# Altium PCB F1C100S.PcbDoc
Units mm, origin at the board's own origin, x right, y up, seen from the top; angles counter-clockwise.
Board outline 135.51 x 63.37 mm, 2 copper layers (Top Layer, Bottom Layer); 45 components, 33 nets, 212 pads, 0 vias.
Unrouted connection lines stored in the file: 129.
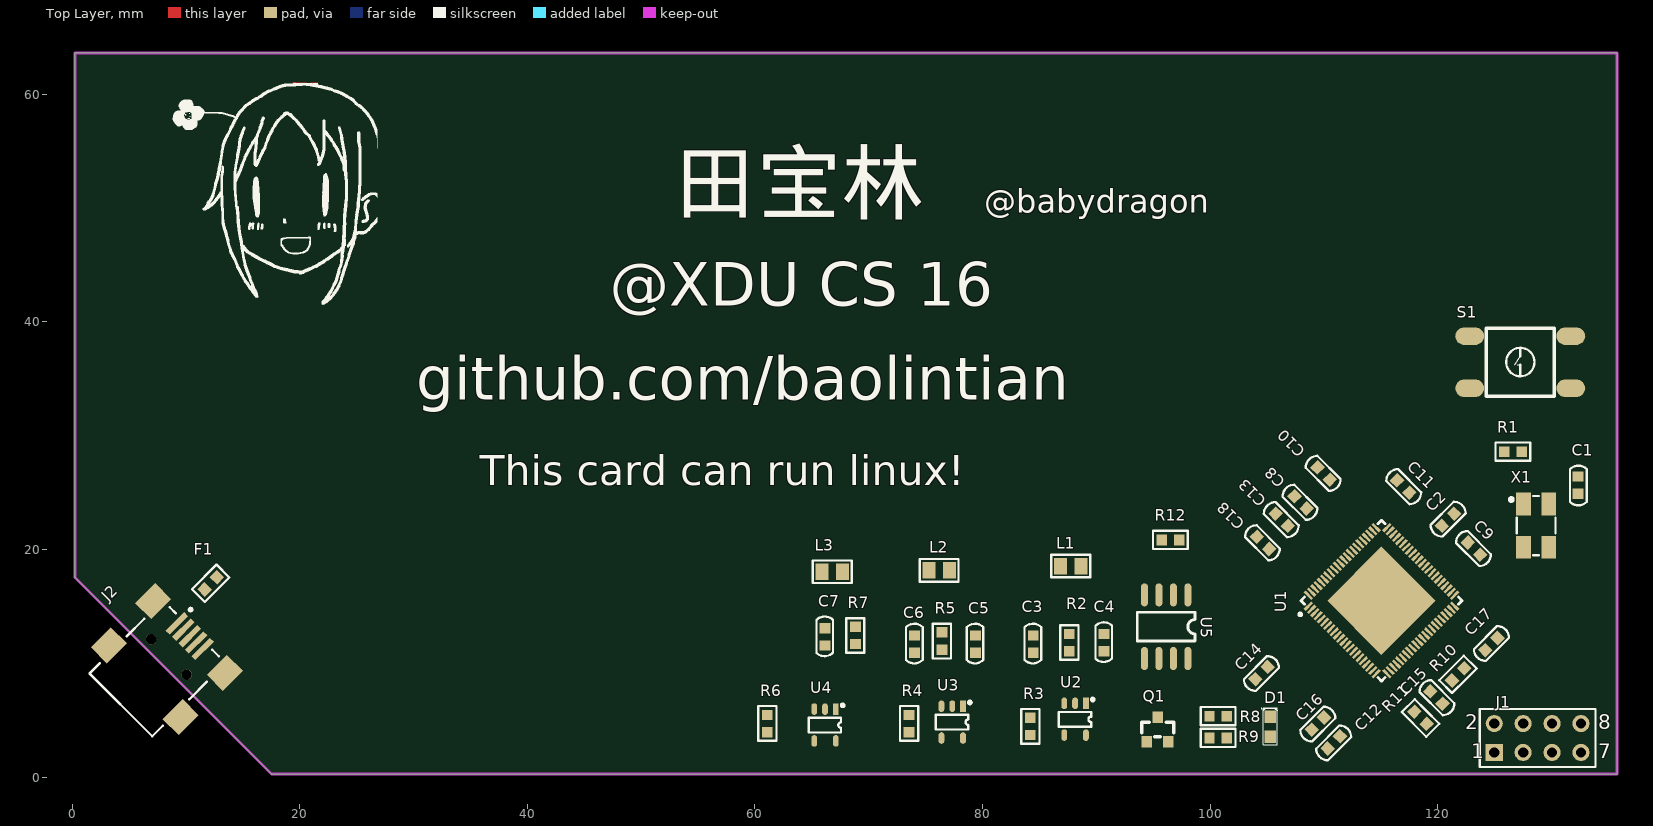
[diagram p0: Top Layer view]
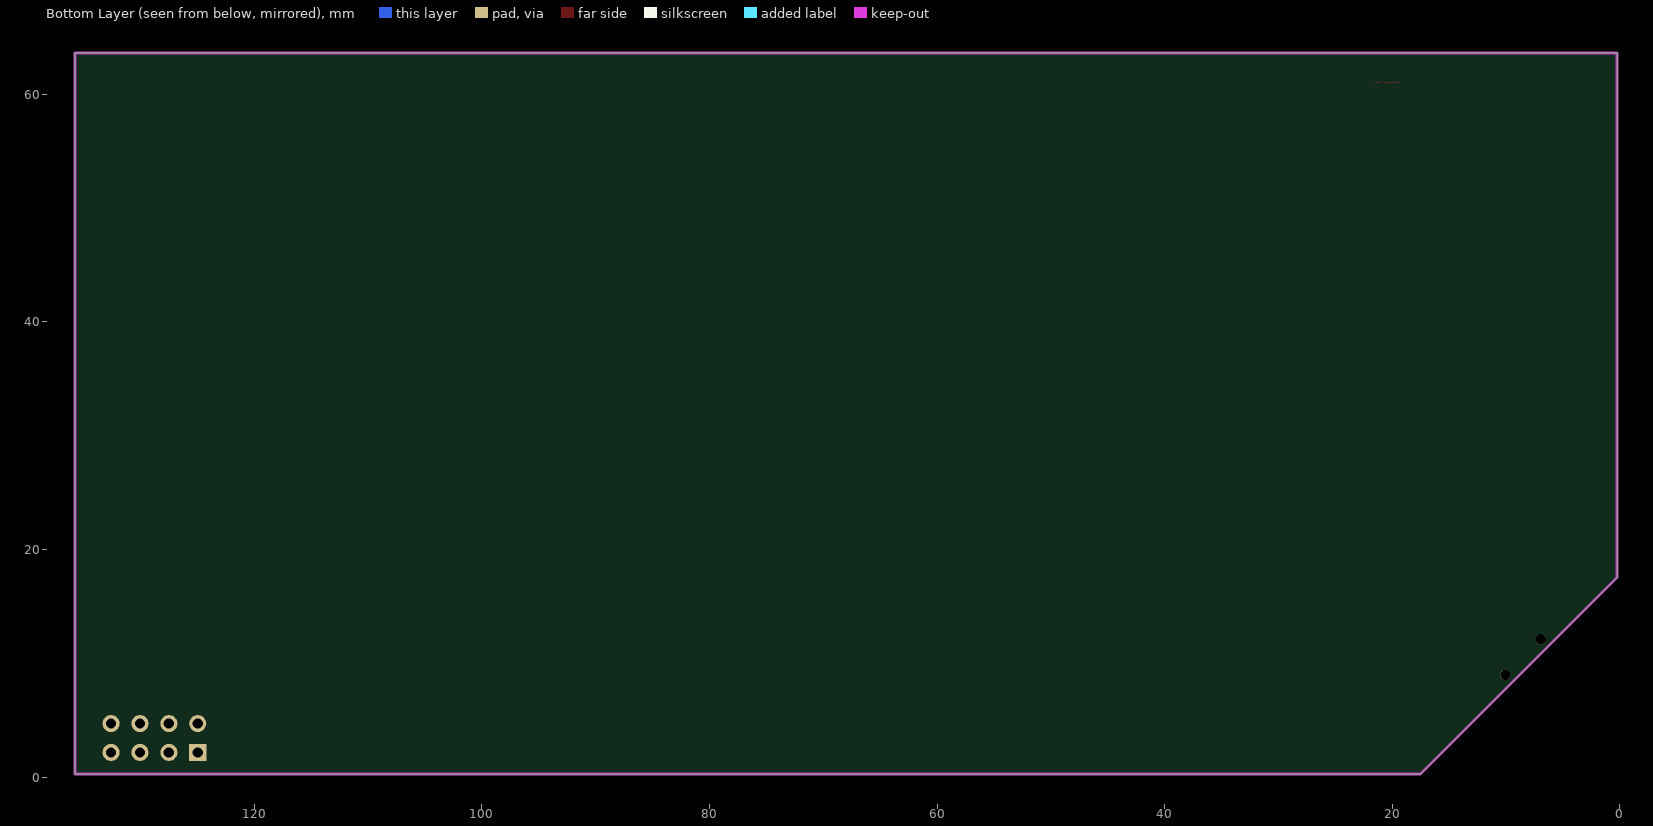
[diagram p1: Bottom Layer view, seen from below]

## Layer stack, top to bottom
Top Solder: solder mask 0.0102, Solder Resist, Dk 3.5
Top Layer: signal copper 0.0356
Dielectric 1: dielectric 0.32, FR-4, Dk 4.8
Bottom Layer: signal copper 0.0356
Bottom Solder: solder mask 0.0102, Solder Resist, Dk 3.5

## Board outline
17.526,0.254 0.254,17.526 0.254,63.627 135.763,63.627 135.763,0.254

## Design rules (kind name [scope] priority, off if disabled: settings)
Clearance [All] p1: gap=0.254 ignorepadtopadclearanceinfootprint=FALSE except(0: Arc-Hole Track-Hole SMDPad-Hole THPad-Hole Via-Hole Fill-Hole Poly-Hole Region-Hole Text-Hole)
PolygonConnect [All] p1: connectstyle=Relief reliefconductorwidth=0.254 reliefentries=4 polygonreliefangle="90 Angle" airgapwidth=0.254
RoutingVias [All] p1: holewidth=0.711 width=1.27 viastyle="Through Hole" minholewidth=0.711 minwidth=1.27 maxholewidth=0.711 maxwidth=1.27
SolderMaskExpansion [All] p1: expansion=0.102
Width [All] p1: maxlimit=0.254 minlimit=0.254 preferedwidth=0.254
30 further rules are at their usual default settings.

## Components (designator, comment, footprint, x,y, rotation, side; value= is the part's Value field where it differs from the comment)
C1 "30p" 0603C 132.334,25.654 r270 top
C2 "30p" 0603C 120.904,22.606 r45 top
C3 "2u2" 0603C 84.455,11.684 r90 top
C4 "2u2" 0603C 90.678,11.811 r90 top
C5 "22u" 0603C 79.375,11.684 r90 top
C6 "22u" 0603C 74.041,11.684 r90 top
C7 "22u" 0603C 66.167,12.319 r90 top
C8 "100n" 0603C 107.95,24.13 r135 top
C9 "2u2" 0603C 123.19,20.066 r135 top
C10 "100n" 0603C 109.982,26.67 r135 top
C11 "100n" 0603C 116.967,25.527 r315 top
C12 "100n" 0603C 110.871,3.048 r225 top
C13 "100n" 0603C 106.299,22.606 r135 top
C14 "100n" 0603C 104.521,9.144 r225 top
C15 "1u" 0603C 119.888,6.985 r315 top
C16 "100n" 0603C 109.474,4.699 r225 top
C17 "1u" 0603C 124.714,11.684 r45 top
C18 "100n" 0603C 104.648,20.574 r135 top
D1 "LED" LED-0603 105.283,3.556 r90 top
F1 "Fuse 1" 0603r 12.192,17.018 r45 top
J1 "Header4*2" HDR2X4 124.968,2.159 r0 top
J2 "USB" USB_MINIB_SMT 8.509,10.541 r315 top
L1 "2u2" 0805R 87.757,18.542 r0 top
L2 "2u2" 0805R 76.2,18.161 r180 top
L3 "2u2" 0805R 66.802,18.034 r0 top
Q1 "AO3400" SOT-23 95.377,4.191 r90 top
R1 "49.9K" 0603R 126.619,28.575 r0 top
R2 "49.9K" 0603R 87.63,11.811 r270 top
R3 "11K" 0603R 84.201,4.445 r270 top
R4 "36K" 0603R 73.533,4.699 r270 top
R5 "11K" 0603R 76.454,11.951 r90 top
R6 "8K2" 0603R 61.087,4.699 r270 top
R7 "10K" 0603R 68.834,12.446 r90 top
R8 "R" 0603R 100.711,5.334 r0 top
R9 "49K9" 0603R 100.711,3.429 r0 top
R10 "2K2" 0603R 121.793,9.017 r45 top
R11 "2K2" 0603R 118.491,5.207 r135 top
R12 "3.3K" 0603R 96.52,20.828 r0 top
S1 "SW-Push" key-6s 127.254,36.449 r0 top
U1 "F1C100S" QFN-88 115.062,15.494 r315 top
U2 "JW5211" SOT-23-5 88.138,5.08 r270 top
U3 "JW5211" SOT-23-5 77.343,4.826 r270 top
U4 "JW5211" SOT-23-5 66.167,4.572 r270 top
U5 "AT25SF081-SSHD-X" SOP-8 98.044,16.002 r270 top
X1 "24MHz" 5032-4P 128.651,22.098 r270 top

## Footprints (in the part's own frame and the unit in brackets; to place one, negate y for a bottom-side part, rotate by r counter-clockwise, add the part's x,y. Pads: shape width x height; smd on the part's side, far side on the other; paste and mask are expansions set on the pad)
0603C [mm]
  rect 0.9x0.95 smd: 1(-0.762,0) 2(0.762,0)
  silkscreen extent -1.7,-0.7 1.78,0.76, body extent -0.79,-0.38 0.81,0.42, height 0.3
0603r [mm]
  rect 0.9x0.95 smd: 1(-0.762,0) 2(0.762,0)
  silkscreen extent -1.54,-0.79 1.52,0.81, body extent -0.8,-0.4 0.8,0.4, height 0.3
0603R [mm]
  rect 0.9x0.95 smd: 1(-0.762,0) 2(0.762,0)
  silkscreen extent -1.54,-0.79 1.52,0.81, body extent -0.8,-0.4 0.8,0.4, height 0.3
0805R [mm]
  rect 1.15x1.45 smd: 1(-0.889,0) 2(0.889,0)
  silkscreen extent -1.7,-0.99 1.7,0.99, body extent -1,-0.63 1,0.63, height 0.78
5032-4P [mm]
  rect 2x1.3 smd: 1(-1.9,-1.1) 2(1.9,-1.1) 3(1.9,1.1) 4(-1.9,1.1)
  silkscreen extent -2.6,-2.33 2.6,1.7
HDR2X4 [mm] "Connector; Header; 4x2 Position"
  rect 1.5x1.5 hole 0.9: 1(0,0)
  round 1.5 hole 0.9: 2(0,2.54) 3(2.54,0) 4(2.54,2.54) 5(5.08,0) 6(5.08,2.54) 7(7.62,0) 8(7.62,2.54)
  silkscreen extent -1.27,-1.27 8.89,3.81
key-6s [mil]
  oval 100x60 smd: 1(-175,90) 2(-175,-90) 3(175,-90) 4(175,90)
  silkscreen extent -118,-118 118,118, body extent -201,-122 201,122, height 268
LED-0603 [mm]
  rect 1.1x1 smd: 1(0,0) 2(1.75,0)
  silkscreen extent -0.7,-0.6 2.55,0.72
QFN-88 [mm]
  rect 0.249x0.95 smd: 1(-4.2,-4.876) 3(-3.4,-4.876) 5(-2.599,-4.876) 7(-1.799,-4.876) 9(-0.999,-4.876) 11(-0.199,-4.876) 13(0.601,-4.876) 14(1,-4.876) 15(1.401,-4.876) 16(1.8,-4.876) 17(2.201,-4.876) 18(2.6,-4.876) 19(3.001,-4.876) 20(3.4,-4.876) 22(4.2,-4.876) 45(4.2,4.876) 47(3.4,4.876) 48(3.001,4.876) 49(2.6,4.876) 50(2.201,4.876) 51(1.8,4.876) 52(1.401,4.876) 53(1,4.876) 54(0.601,4.876) 56(-0.199,4.876) 58(-0.999,4.876) 60(-1.799,4.876) 62(-2.599,4.876) 64(-3.4,4.876) 66(-4.2,4.876)
  rect 0.251x0.95 smd: 2(-3.8,-4.876) 4(-3,-4.876) 6(-2.199,-4.876) 8(-1.399,-4.876) 10(-0.599,-4.876) 12(0.201,-4.876) 21(3.8,-4.876) 46(3.8,4.876) 55(0.201,4.876) 57(-0.599,4.876) 59(-1.399,4.876) 61(-2.199,4.876) 63(-3,4.876) 65(-3.8,4.876)
  rect 0.95x0.249 smd: 23(4.876,-4.2) 24(4.876,-3.801) 25(4.876,-3.4) 26(4.876,-3.001) 27(4.876,-2.6) 28(4.876,-2.201) 30(4.876,-1.401) 32(4.876,-0.601) 34(4.876,0.199) 36(4.876,0.999) 38(4.876,1.8) 40(4.876,2.6) 42(4.876,3.4) 44(4.876,4.2) 67(-4.875,4.2) 69(-4.875,3.4) 71(-4.875,2.6) 73(-4.875,1.8) 75(-4.875,0.999) 77(-4.875,0.199) 79(-4.875,-0.601) 81(-4.875,-1.401) 83(-4.875,-2.201) 84(-4.875,-2.6) 85(-4.876,-3) 86(-4.875,-3.4) 87(-4.875,-3.801) 88(-4.875,-4.2)
  rect 0.95x0.251 smd: 29(4.876,-1.801) 31(4.876,-1.001) 33(4.876,-0.201) 35(4.876,0.599) 37(4.876,1.4) 39(4.876,2.2) 41(4.876,3) 43(4.876,3.8) 68(-4.875,3.8) 70(-4.875,3) 72(-4.875,2.2) 74(-4.875,1.4) 76(-4.875,0.599) 78(-4.875,-0.201) 80(-4.875,-1.001) 82(-4.875,-1.801)
  rect 6.749x6.749 smd: 89(0,-0.001)
  silkscreen extent -5,-6.03 5,5
SOP-8 [mil]
  oval 80x24 smd: 1(0,0) 2(0,-50) 3(0,-100) 4(0,-150) 5(220,-150) 6(220,-100) 7(220,-50) 8(220,0)
  silkscreen extent 60,-175 160,25
SOT-23 [mil]
  rect 40x36 smd: 1(-42.5,37.5) 2(-42.5,-37.5) 3(42.5,-0.5)
  silkscreen extent -25,-56 25,55, body extent -47,-57 50,57, height 39
SOT-23-5 [mil]
  rect 40x20 smd: 1(-55,37.4)
  oval 40x20 smd: 2(-55,0) 3(-55,-37.4) 4(55,-37.4) 5(55,37.4)
  silkscreen extent -73,-57 26,66, body extent -55,-57 55,57, height 43
USB_MINIB_SMT [mm]
  rect 0.5x2.3 smd: 1(-1.6,2.6) 2(-0.8,2.6) 3(0,2.6) 4(0.8,2.6) 5(1.6,2.6)
  rect 2x2.5 smd: 6(4.45,2.5) 7(4.45,-3) 8(-4.45,2.5) 9(-4.45,-3)
  round 0.9 hole 0.9 unplated: MH1(2.2,0) MH2(-2.2,0)
  silkscreen extent -3.9,-5.95 3.9,4.42, body extent -5.35,-5.9 5.35,3.3, height 3.95

## Part data
C1 C2 C3 C4 C5 C6 C7 C8 C9 C10 C11 C12 C13 C14 C15 C16 C17 C18: library part Cap, "Capacitor"
D1: library part LED0, "Typical INFRARED GaAs LED"
F1: "Fuse"
J2: "A口,13.4×14.2×7,90°,RoHS"
L1 L2 L3: library part Inductor, "Inductor"
Q1: "N-Channel Power MOSFET"
R1 R2 R3 R4 R5 R6 R7 R8 R9 R10 R11 R12: library part Res1, "Resistor"
S1: library part SW-PB, "Switch"
U1: "树莓派 全志"
U5: library part AT25SF081-SSHD-T

## Nets (pads, with @x,y where several pads share a name; then routed paths per layer and width w, separated by ;. In a path a pad name is that pad's centre, name@x,y a point inside that pad or via, vN(x,y) a via of type N, cw(c..) or ccw(c..) an arc to the next point about the centre after c; other vN are vias at no path point)
+1V1: C7.2 C8.1 C10.1 C12.1 L3.2 R6.1 U1.22 U1.35 U1.71
+2V5: C6.2 C15.1 C17.1 C18.1 L2.2 R4.1 R10.2 U1.30 U1.31 U1.32 U1.34 U1.36 U1.80
+3V3: C5.2 C9.1 C11.1 C13.1 C14.1 C16.1 D1.1 L1.2 R1.1 R2.1 R9.2 R12.1 U1.4 U1.5 U1.20 U1.50 U1.67 U1.73 U5.3 U5.7 U5.8
FUSE_PWR: C3.2 C4.2 F1.2 U2.1 U2.4 U3.1 U3.4 U4.1 U4.4
GND: C1.2 C2.2 C3.1 C4.1 C5.1 C6.1 C7.1 C8.2 C9.2 C10.2 C11.2 C12.2 C13.2 C14.2 C15.2 C16.2 C17.2 C18.2 J1.5 J2.4 J2.5 J2.6 Q1.2 R3.1 R5.1 R7.1 R11.2 S1.1 U1.2 U1.63 U1.64 U1.65 U1.66 U1.74 U1.82 U1.84 U1.85 U1.86 U1.87 U1.89 U2.2 U3.2 U4.2 U5.4 X1.2 X1.4
JTAG_TCK: U1.53
JTAG_TDI: U1.57
JTAG_TDO: U1.55
JTAG_TMS: U1.58
NetC1_1: C1.1 U1.52 X1.1
NetC2_1: C2.1 U1.51 X1.3
NetD1_2: D1.2 R8.2
NetL1_1: L1.1 U2.3
NetL2_1: L2.1 U3.3
NetL3_1: L3.1 U4.3
NetQ1_3: Q1.3 R8.1
NetR2_2: R2.2 R3.2 U2.5
NetR4_2: R4.2 R5.2 U3.5
NetR6_2: R6.2 R7.2 U4.5
NetR10_1: R10.1 R11.1 U1.33
R\E\S\E\T\: J1.4 R1.2 S1.2 U1.70
SCL: U1.38
SDA: U1.37
SPI_CLK: J1.7 U1.59 U5.6
SPI_CS: J1.2 R12.2 U1.60 U5.1
SPI_MISO: J1.3 U1.61 U5.2
SPI_MOSI: J1.6 U1.62 U5.5
STATUS: Q1.1 R9.1 U1.13
UART_RX: J1.8 U1.49
UART_TX: J1.1 U1.48
USB_DM: J2.2 U1.68
USB_DP: J2.3 U1.69
USB_VBUS: F1.1 J2.1
pads on no net: J2.7 J2.8 J2.9 J2.MH1 J2.MH2 S1.3 S1.4 U1.1 U1.3 U1.6 U1.7 U1.8 U1.9 U1.10 U1.11 U1.12 U1.14 U1.15 U1.16 U1.17 U1.18 U1.19 U1.21 U1.23 U1.24 U1.25 U1.26 U1.27 U1.28 U1.29 U1.39 U1.40 U1.41 U1.42 U1.43 U1.44 U1.45 U1.46 U1.47 U1.54 U1.56 U1.72 U1.75 U1.76 U1.77 U1.78 U1.79 U1.81 U1.83 U1.88
copper on no net: | length 2.1
  Top Layer w0.041: 19.391,60.988 20.625,60.988 ; 19.432,61.029 19.679,61.029 ; 19.473,61.07 19.555,61.07 ; 20.996,60.988 21.572,60.988

## Keep-outs
Keep-Out Layer:
  lines w0.254: 0.254,17.526 17.526,0.254 135.763,0.254 135.763,63.627 0.508,63.627 0.254,63.627 0.254,17.526

## Silkscreen, mask and mechanical layers (free items; w line width, h text height)
Top Overlay:
  drawing of 3036 lines, arcs and shapes, not listed
  text "@babydragon" at 80.137,48.895 h3.52
  text "田宝林" at 52.832,47.879 h9.24
  text "@XDU CS 16" at 47.244,40.132 h6.52
  text "github.com/baolintian" at 30.226,31.877 h6.52
  text "This card can run linux!" at 35.814,24.765 h4.52

## Text inside footprints (layer, text, board x,y; h text height)
C1: Mechanical 15 "1" at 131.989,25.78 h0.58 r270
C2: Mechanical 15 "1" at 121.059,22.273 h0.58 r45
C3: Mechanical 15 "1" at 84.8,11.558 h0.58 r90
C4: Mechanical 15 "1" at 91.023,11.685 h0.58 r90
C5: Mechanical 15 "1" at 79.72,11.558 h0.58 r90
C6: Mechanical 15 "1" at 74.386,11.558 h0.58 r90
C7: Mechanical 15 "1" at 66.512,12.193 h0.58 r90
C8: Mechanical 15 "1" at 108.283,24.285 h0.58 r135
C9: Mechanical 15 "1" at 123.523,20.221 h0.58 r135
C10: Mechanical 15 "1" at 110.315,26.825 h0.58 r135
C11: Mechanical 15 "1" at 116.634,25.372 h0.58 r315
C12: Mechanical 15 "1" at 110.716,3.381 h0.58 r225
C13: Mechanical 15 "1" at 106.632,22.761 h0.58 r135
C14: Mechanical 15 "1" at 104.366,9.477 h0.58 r225
C15: Mechanical 15 "1" at 119.555,6.83 h0.58 r315
C16: Mechanical 15 "1" at 109.319,5.032 h0.58 r225
C17: Mechanical 15 "1" at 124.869,11.351 h0.58 r45
C18: Mechanical 15 "1" at 104.981,20.729 h0.58 r135
F1: Mechanical 15 "1" at 12.347,16.685 h0.58 r45
J1: Top Overlay "2" at 122.428,4.191 h1.27; Top Overlay "1" at 122.936,1.651 h1.27; Top Overlay "7" at 134.112,1.651 h1.27; Top Overlay "8" at 134.112,4.191 h1.27
L1: Mechanical 15 "1" at 87.593,18.092 h0.75
L2: Mechanical 15 "1" at 76.364,18.611 h0.75 r180
L3: Mechanical 15 "1" at 66.638,17.584 h0.75
R1: Mechanical 15 "1" at 126.493,28.23 h0.58
R2: Mechanical 15 "1" at 87.285,11.937 h0.58 r270
R3: Mechanical 15 "1" at 83.856,4.571 h0.58 r270
R4: Mechanical 15 "1" at 73.188,4.825 h0.58 r270
R5: Mechanical 15 "1" at 76.799,11.825 h0.58 r90
R6: Mechanical 15 "1" at 60.742,4.825 h0.58 r270
R7: Mechanical 15 "1" at 69.179,12.32 h0.58 r90
R8: Mechanical 15 "1" at 100.585,4.989 h0.58
R9: Mechanical 15 "1" at 100.585,3.084 h0.58
R10: Mechanical 15 "1" at 121.948,8.684 h0.58 r45
R11: Mechanical 15 "1" at 118.824,5.362 h0.58 r135
R12: Mechanical 15 "1" at 96.394,20.483 h0.58